# KiCad board wvr_v.1.0.kicad_pcb
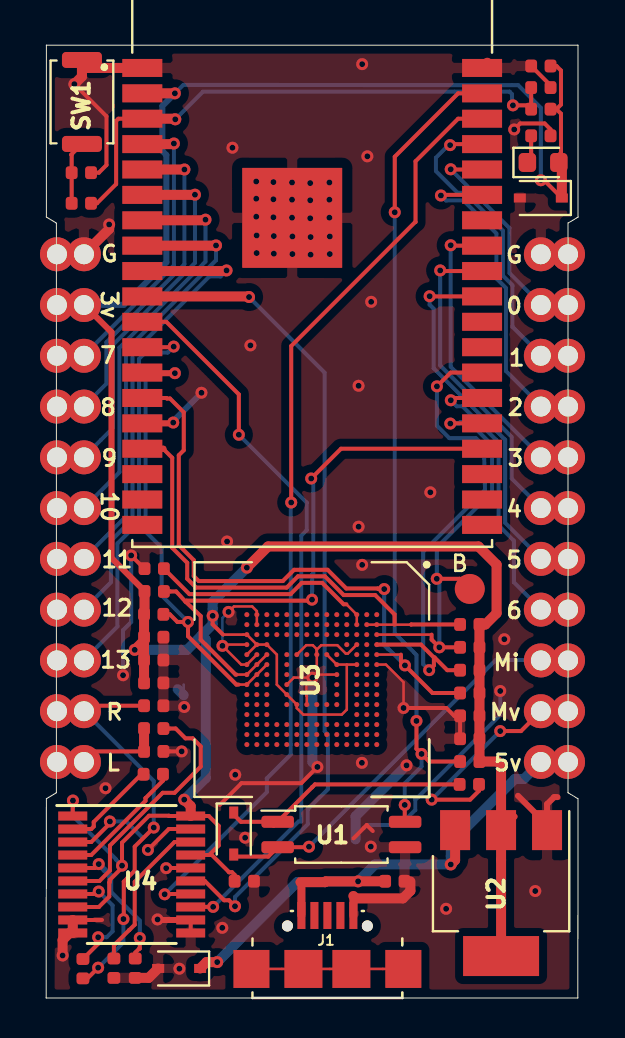
[diagram p0: board, top side]
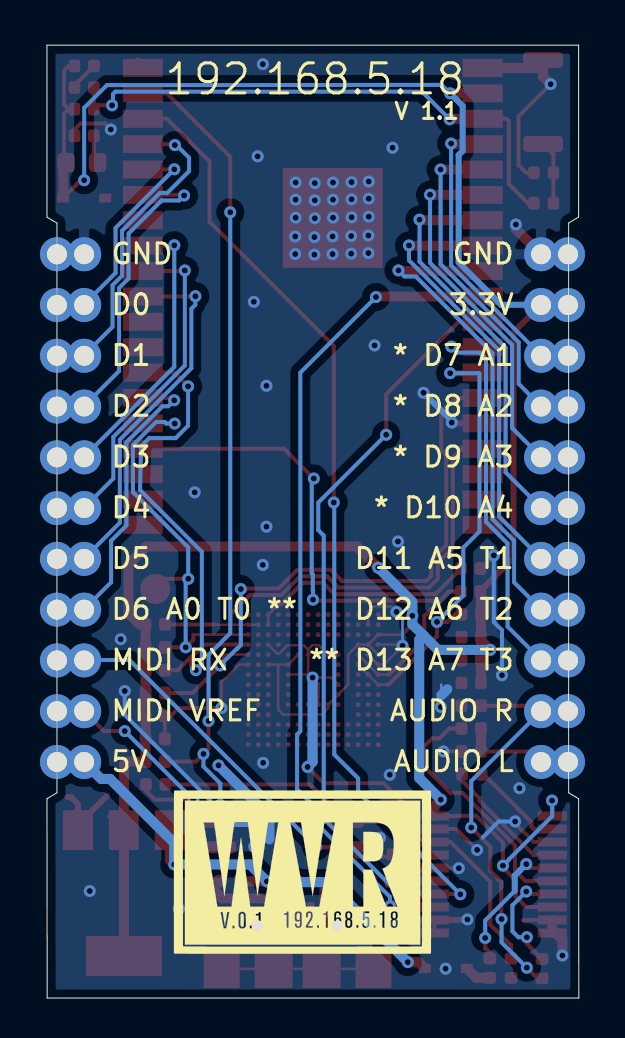
[diagram p1: board, bottom side, seen from below]

Outline 26.61 x 47.67 mm; copper layers: Top, Bottom. Coordinates in mm from the lower left corner of the outline.
Outline path: 0.01,47.67 0.01,39.07 0.51,38.77 0.51,10.27 0.01,9.97 0,0 26.6,0 26.61,9.97 26.11,10.27 26.11,38.77 26.61,39.07 26.61,47.67 0.01,47.67

## Placement (name value [footprint] x y rotation side)
B  TestPoint  [TestPoint_Pad_D1.5mm]  21.19 20.47 0 top
C1  10uf  [C_0402_1005Metric]  17.44 5.84 0 top
C2  10uf  [C_0402_1005Metric]  5.38 18.05 0 top
C3  1uf  [C_0402_1005Metric]  5.41 21.48 180 top
C4  1nF  [C_0402_1005Metric]  24.75 45.55 0 top
C5  2.2uF  [C_0402_1005Metric]  5.36 11.2 0 top
C6  2.2uF  [C_0402_1005Metric]  4.46 1.49 270 top
C7  0.1uf  [C_0402_1005Metric]  24.75 46.63 180 top
C8  220nf  [C_0402_1005Metric]  21.19 12.97 180 top
C9  0.1uF  [C_0402_1005Metric]  3.39 1.49 270 top
C10  0.1uf  [C_0402_1005Metric]  5.38 16.91 0 top
C11  0.1uF  [C_0402_1005Metric]  5.38 15.77 0 top
C12  10uF  [C_0402_1005Metric]  21.19 14.12 180 top
C13  1nF  [C_0402_1005Metric]  1.76 41.29 180 top
C14  2.2nf  [C_0402_1005Metric]  5.38 14.62 0 top
C15  2.2nf  [C_0402_1005Metric]  5.38 12.34 0 top
C16  10uf  [C_0402_1005Metric]  9.91 5.84 0 top
D1  D  [D_SOD-323]  9.38 8.23 270 top
D2  LED  [LED_0603_1608Metric]  24.86 41.8 0 top
D3  D  [D_SOD-323]  24.75 40.02 180 top
D4  D  [D_SOD-323]  6.65 1.48 180 top
G***  LOGO  [WVR_LOGO]  14.16 6.83 180 bottom
J1  10118192-0001LF  [USB-MICRO-B_C40942]  14.07 4.13 0 top
J2  Conn_01x11  [CAST_HEADER_11_LEFT_2]  24.75 11.81 180 top
J3  Conn_01x11  [CAST_HEADER_11_RIGHT_2]  1.89 11.81 180 top
R1  220  [R_0402_1005Metric]  21.17 10.69 0 top
R2  10k  [R_0402_1005Metric]  21.19 11.83 180 top
R3  10k  [R_0402_1005Metric]  21.19 17.55 0 top
R4  10k  [R_0402_1005Metric]  21.19 16.4 0 top
R5  10k  [R_0402_1005Metric]  21.19 15.26 0 top
R6  10k  [R_0402_1005Metric]  21.19 18.69 0 top
R7  10k  [R_0402_1005Metric]  5.41 20.34 180 top
R8  10k  [R_0402_1005Metric]  5.38 19.2 180 top
R9  470  [R_0402_1005Metric]  5.38 13.48 0 top
R10  470  [R_0402_1005Metric]  1.84 1.47 270 top
R11  12k  [R_0402_1005Metric]  24.75 44.47 180 top
R12  470r  [R_0402_1005Metric]  1.76 39.76 0 top
R13  22  [R_0402_1005Metric]  24.75 43.14 0 top
SW1  SW_Push  [SW_Push_SPST_NO_Alps_SKRK]  1.79 44.83 90 top
U1  TCMT1101  [SOP-4_4.4x2.6mm_P1.27mm]  14.77 8.18 0 top
U2  LM1117-3.3  [SOT-223-3_TabPin2]  22.76 5.25 270 top
U3  KLM8G1GETF  [KLM8G1GETF_ALL_PADS]  13.29 15.93 270 top
U4  PCM5102  [TSSOP-20_4.4x6.5mm_P0.65mm]  4.28 6.18 0 top
U5  ESP32-WROVER-B_(16MB)  [XCVR_ESP32-WROVER-B_(16MB)]  13.31 38.27 0 top

## Footprints (pads in the part's own frame, mm; a bottom-side part is the same pattern mirrored in y, then rotated)
C_0402_1005Metric
  rrect 0.59x0.64 smd: 1(-0.485,0) 2(0.485,0)
CAST_HEADER_11_LEFT_2
  round 1.7 hole 1 unplated: (-1.36,0)
  oval 1.7x1.7 hole 1 unplated: (-1.36,-2.54) (-1.36,-5.08) (-1.36,-7.62) (-1.36,-10.16) (-1.36,-12.7) (-1.36,-15.24) (-1.36,-17.78) (-1.36,-20.32) (-1.36,-22.86) (-1.36,-25.4)
  round 1.7 hole 1: 1(0,0)
  oval 1.7x1.7 hole 1: 2(0,-2.54) 3(0,-5.08) 4(0,-7.62) 5(0,-10.16) 6(0,-12.7) 7(0,-15.24) 8(0,-17.78) 9(0,-20.32) 10(0,-22.86) 11(0,-25.4)
CAST_HEADER_11_RIGHT_2
  round 1.7 hole 1 unplated: (1.35,0)
  oval 1.7x1.7 hole 1 unplated: (1.35,-2.54) (1.35,-5.08) (1.35,-7.62) (1.35,-10.16) (1.35,-12.7) (1.35,-15.24) (1.35,-17.78) (1.35,-20.32) (1.35,-22.86) (1.35,-25.4)
  round 1.7 hole 1: 1(0,0)
  oval 1.7x1.7 hole 1: 2(0,-2.54) 3(0,-5.08) 4(0,-7.62) 5(0,-10.16) 6(0,-12.7) 7(0,-15.24) 8(0,-17.78) 9(0,-20.32) 10(0,-22.86) 11(0,-25.4)
D_SOD-323
  rect 0.6x0.45 smd: 1(-1.05,0) 2(1.05,0)
KLM8G1GETF_ALL_PADS
  round 0.25 smd: CLK(-0.75,-2.25) CMD(-1.25,-2.25) DAT0(-2.25,3.25) DAT1(-1.75,3.25) DAT2(-1.25,3.25) DAT3(-2.75,2.75) DAT4(-2.25,2.75) DAT5(-1.75,2.75) DAT6(-1.25,2.75) DAT7(-0.75,2.75) DATA_STROBE(-1.25,-0.25) NC(-3.25,3.25) NC(-3.25,2.75) NC(-3.25,2.25) NC(-3.25,1.75) NC(-3.25,1.25) NC(-3.25,0.75) NC(-3.25,0.25) NC(-3.25,-0.25) NC(-3.25,-0.75) NC(-3.25,-1.25) NC(-3.25,-1.75) NC(-3.25,-2.25) NC(-3.25,-2.75) NC(-3.25,-3.25) NC(-2.75,3.25) NC(-2.75,1.75) NC(-2.75,1.25) NC(-2.75,0.75) NC(-2.75,0.25) NC(-2.75,-0.25) NC(-2.75,-0.75) NC(-2.75,-1.25) NC(-2.75,-1.75) NC(-2.75,-2.25) NC(-2.75,-3.25) NC(-2.25,2.25) NC(-2.25,1.75) NC(-2.25,1.25) NC(-2.25,0.75) NC(-2.25,-0.25) NC(-2.25,-0.75) NC(-2.25,-1.25) NC(-2.25,-1.75) NC(-2.25,-2.25) NC(-2.25,-2.75) NC(-1.75,1.75) NC(-1.25,2.25) NC(-0.75,-2.75) NC(-0.25,2.75) NC(-0.25,2.25) NC(-0.25,-2.25) NC(-0.25,-2.75) NC(-0.25,-3.25) NC(0.25,3.25) NC(0.25,2.75) NC(0.25,2.25) NC(0.25,-2.25) NC(0.25,-2.75) NC(0.25,-3.25) NC(0.75,3.25) NC(0.75,2.75) NC(0.75,2.25) NC(0.75,-2.25) NC(0.75,-2.75) NC(0.75,-3.25) NC(1.25,3.25) NC(1.25,2.75) NC(1.25,2.25) NC(1.25,-2.25) NC(1.25,-2.75) NC(1.25,-3.25) NC(1.75,3.25) NC(1.75,2.75) NC(1.75,2.25) NC(1.75,-2.25) NC(1.75,-2.75) NC(1.75,-3.25) NC(2.25,3.25) NC(2.25,2.75) NC(2.25,2.25) NC(2.25,1.75) NC(2.25,1.25) NC(2.25,0.75) NC(2.25,0.25) NC(2.25,-0.25) NC(2.25,-0.75) NC(2.25,-1.25) NC(2.25,-1.75) NC(2.25,-2.25) NC(2.25,-2.75) NC(2.25,-3.25) NC(2.75,3.25) NC(2.75,2.75) NC(2.75,2.25) NC(2.75,1.75) NC(2.75,1.25) NC(2.75,0.75) NC(2.75,0.25) NC(2.75,-0.25) NC(2.75,-0.75) NC(2.75,-1.25) NC(2.75,-1.75) NC(2.75,-2.25) NC(2.75,-2.75) NC(2.75,-3.25) NC(3.25,3.25) NC(3.25,2.75) NC(3.25,2.25) NC(3.25,1.75) NC(3.25,1.25) NC(3.25,0.75) NC(3.25,0.25) NC(3.25,-0.25) NC(3.25,-0.75) NC(3.25,-1.25) NC(3.25,-1.75) NC(3.25,-2.25) NC(3.25,-2.75) NC(3.25,-3.25) RFU(-2.25,0.25) RFU(-1.25,1.25) RFU(-0.75,-1.25) RFU(-0.25,3.25) RFU(-0.25,-1.25) RFU(0.25,1.25) RFU(0.75,1.25) RFU(1.25,1.25) RFU(1.25,0.75) RFU(1.25,0.25) RFU(1.25,-1.25) RSTN(-1.25,-1.25) VCCQ(-2.25,-3.25) VCCQ(-1.75,-2.25) VCCQ(-1.75,-2.75) VCCQ(-1.25,-3.25) VCCQ(-0.75,2.25) VDDF(-1.25,0.75) VDDF(-0.75,1.25) VDDF(0.75,-1.25) VDDF(1.25,-0.75) VDDI(-2.75,2.25) VSS(-2.75,-2.75) VSS(-1.75,2.25) VSS(-1.75,-3.25) VSS(-1.25,0.25) VSS(-1.25,-0.75) VSS(-1.25,-2.75) VSS(-0.75,3.25) VSS(-0.75,-3.25) VSS(-0.25,1.25) VSS(0.25,-1.25) VSS(1.25,-0.25)
LED_0603_1608Metric
  rrect 0.875x0.95 smd: 1(-0.787,0) 2(0.787,0)
R_0402_1005Metric
  rrect 0.59x0.64 smd: 1(-0.485,0) 2(0.485,0)
SOP-4_4.4x2.6mm_P1.27mm
  rrect 1.625x0.6 smd: 1(-3.188,0.635) 2(-3.188,-0.635) 3(3.188,-0.635) 4(3.188,0.635)
SOT-223-3_TabPin2
  rect 2x1.5 smd: 1(-3.15,2.3) 2(-3.15,0) 3(-3.15,-2.3)
  rect 2x3.8 smd: 2(3.15,0)
SW_Push_SPST_NO_Alps_SKRK
  rrect 0.8x2 smd: 1(-2.1,0) 2(2.1,0)
TestPoint_Pad_D1.5mm
  round 1.5 smd: 1(0,0)
TSSOP-20_4.4x6.5mm_P0.65mm
  rect 1.45x0.45 smd: 1(-2.95,2.925) 2(-2.95,2.275) 3(-2.95,1.625) 4(-2.95,0.975) 5(-2.95,0.325) 6(-2.95,-0.325) 7(-2.95,-0.975) 8(-2.95,-1.625) 9(-2.95,-2.275) 10(-2.95,-2.925) 11(2.95,-2.925) 12(2.95,-2.275) 13(2.95,-1.625) 14(2.95,-0.975) 15(2.95,-0.325) 16(2.95,0.325) 17(2.95,0.975) 18(2.95,1.625) 19(2.95,2.275) 20(2.95,2.925)
USB-MICRO-B_C40942
  round 0.55 hole 0.55 unplated: (-2,-0.525) (2,-0.525)
  rect 0.4x1.35 smd: 1(-1.3,0) 2(-0.65,0) 3(0,0) 4(0.65,0) 5(1.3,0)
  rect 1.8x1.9 smd: SH3(-3.8,-2.675) SH6(3.8,-2.675)
  rect 1.9x1.9 smd: SH4(-1.2,-2.675) SH5(1.2,-2.675)
XCVR_ESP32-WROVER-B_(16MB)
  rect 2x0.9 smd: 1(-8.5,8.26) 2(-8.5,6.99) 3(-8.5,5.72) 4(-8.5,4.45) 5(-8.5,3.18) 6(-8.5,1.91) 7(-8.5,0.64) 8(-8.5,-0.63) 9(-8.5,-1.9) 10(-8.5,-3.17) 11(-8.5,-4.44) 12(-8.5,-5.71) 13(-8.5,-6.98) 14(-8.5,-8.25) 15(-8.5,-9.52) 16(-8.5,-10.79) 17(-8.5,-12.06) 18(-8.5,-13.33) 19(-8.5,-14.6) 20(8.5,-14.6) 21(8.5,-13.33) 22(8.5,-12.06) 23(8.5,-10.79) 24(8.5,-9.52) 25(8.5,-8.25) 26(8.5,-6.98) 27(8.5,-5.71) 28(8.5,-4.44) 29(8.5,-3.17) 30(8.5,-1.9) 31(8.5,-0.63) 32(8.5,0.64) 33(8.5,1.91) 34(8.5,3.18) 35(8.5,4.45) 36(8.5,5.72) 37(8.5,6.99) 38(8.5,8.26)
  rect 5x5 smd: 39(-1,0.76)

## Nets
+3V3: C2.1 C7.1 C8.1 C10.1 C11.1 C12.1 C16.1 D2.2 D3.1 J3.10 R2.1 R3.2 R4.2 R5.2 R6.2 R7.2 R8.2 R11.1 U2.2 U3.VCCQ U3.VDDF U4.1 U4.8 U4.17 U4.20 U5.2
+5V: C1.1 D4.1 J1.1 J2.1 U2.3
GND: C1.2 C2.2 C3.2 C4.2 C6.2 C7.2 C8.2 C9.2 C10.2 C11.2 C12.2 C13.1 C14.2 C15.2 C16.2 D3.2 D4.2 J1.5 J2.11 J3.11 R13.2 SW1.2 U1.3 U2.1 U3.VSS U4.3 U4.9 U4.10 U4.11 U4.12 U4.16 U4.19 U5.1 U5.15 U5.38 U5.39
audio_L: C15.1 J3.1 R9.1
audio_R: C14.1 J3.2 R10.2
dac_BCK: U4.13 U5.11
dac_DIN: U4.14 U5.36
dac_LRCK: U4.15 U5.10
emmc_CLK: R8.1 U3.CLK U5.13
emmc_CMD: R7.1 U3.CMD U5.23
emmc_DAT0: B.1 R3.1 U3.DAT0 U5.24
emmc_DAT1: R4.1 U3.DAT1 U5.26
emmc_DAT2: R5.1 U3.DAT2 U5.14
emmc_DAT3: R6.1 U3.DAT3 U5.16
esp_EN: C4.1 R11.2 R12.2 U5.3
esp_GPIO0: J2.4 U5.25
esp_GPIO5: J2.5 U5.29
esp_GPIO18: J2.6 U5.30
esp_GPIO19: J2.7 U5.31
esp_GPIO21: J2.8 U5.33
esp_GPIO27: J3.3 U5.12
esp_GPIO32: J3.5 U5.8
esp_GPIO33: J3.4 U5.9
esp_GPIO34: J3.7 U5.6
esp_GPIO35: J3.6 U5.7
esp_GPIO36: J3.9 U5.4
esp_GPIO39: J3.8 U5.5
esp_midi_IN: R2.2 U1.4 U5.37
ftdi_RX: J2.9 U5.35
ftdi_TX: J2.10 U5.34
midi_IN: D1.2 J2.3 U1.2
midi_REF: J2.2 R1.2
Net-(C3-Pad1): C3.1 U3.VDDI
Net-(C5-Pad1): C5.1 U4.2
Net-(C5-Pad2): C5.2 U4.4
Net-(C6-Pad1): C6.1 U4.5
Net-(C9-Pad1): C9.1 U4.18
Net-(C13-Pad2): C13.2 R12.1 SW1.1
Net-(D1-Pad1): D1.1 R1.1 U1.1
Net-(D2-Pad1): D2.1 R13.1
Net-(J1-Pad2): J1.2
Net-(J1-Pad3): J1.3
Net-(J1-Pad4): J1.4
Net-(J1-PadSH3): J1.SH3 J1.SH4 J1.SH5 J1.SH6
Net-(R9-Pad2): R9.2 U4.6
Net-(R10-Pad1): R10.1 U4.7
Net-(U3-PadDAT4): U3.DAT4
Net-(U3-PadDAT5): U3.DAT5
Net-(U3-PadDAT6): U3.DAT6
Net-(U3-PadDAT7): U3.DAT7
Net-(U3-PadDATA_STROBE): U3.DATA_STROBE
Net-(U3-PadRSTN): U3.RSTN
Net-(U5-Pad17): U5.17
Net-(U5-Pad18): U5.18
Net-(U5-Pad19): U5.19
Net-(U5-Pad20): U5.20
Net-(U5-Pad21): U5.21
Net-(U5-Pad22): U5.22

Pads without a net: U3 NC RFU; U5 27 28 32

## Via types
v1: diameter 0.6, hole 0.3, Top to Bottom, 124 vias

## Routing (per net, layer and track width the routed paths; a pad name or vN(x,y) marks a point on that pad's centre or on a via; arc(x,y) is an arc through that point)
+3V3: length 157.1
  Top w0.127: U3.VCCQ U3.VCCQ 11.54,17.18 11.54,15.68 U3.VDDF U3.VDDF 12.54,14.5 12.86,14.18 14.79,14.18 15.04,14.43 15.04,16.68 ; U3.VCCQ U3.VCCQ 8.85,18.18 ; U3.VCCQ U3.VCCQ ; 15.04,16.68 U3.VDDF U3.VDDF ; 15.04,16.68 U3.VCCQ
  Top w0.2: v1(8.33,19.12) 8.33,18.7 8.85,18.18 ; v1(24.75,40.91) 24.91,40.91 D3.1 ; 25.53,44.47 25.76,44.7 25.76,46.4 25.53,46.63 C7.1 ; 25.53,44.47 25.76,44.24 25.76,42.3 25.74,42.28 25.74,41.8 ; 25.53,44.47 R11.1 ; 9.15,6.29 8.29,7.16 8.16,7.16 ; 9.15,6.29 9.3,6.29 9.43,6.16 C16.1 ; 9.15,6.29 9.13,6.32 ; 7.22,7.15 U4.17 8.16,7.16 ; 8.16,7.16 8.63,7.63 8.63,8.61 8.14,9.11 7.23,9.11 ; 1.33,9.11 1.33,9.87 v1(1.34,9.88) ; 7.23,9.11 6.52,9.11 ; 7.23,9.11 6.16,9.11 6.14,9.12 5.14,9.12 3.8,7.77 v1(3.8,6.62) 3.8,6.52 3.18,5.91 3.18,5.81 3.16,5.78 3.16,5.08 2.64,4.55 U4.8
  Top w0.3: 4.94,20.34 3.27,22.01 3.27,33.31 1.89,34.69 ; 23.44,9.08 U2.2
  Top w0.5: v1(6.91,9.93) 7.23,9.6 7.23,9.11 ; v1(6.44,45.26) U5.2 ; C2.1 R8.2 4.92,19.22 R7.2 ; C2.1 C10.1 C11.1 ; C2.1 4.9,17.89 v1(4.43,17.42) 4.58,17.42 ; v1(10.04,21.53) 11.1,22.59 21.63,22.59 22.53,21.69 22.53,19.25 21.97,18.69 R6.2 R3.2 R4.2 R5.2 C12.1 C8.1 R2.1 22.59,11.83 22.76,11.66 U2.2 U2.2 ; 25.8,40.15 25.8,41.93 25.74,41.99
  Bottom w0.2: v1(24.75,40.91) 24.75,44.53 23.61,45.67 23.32,45.67 6.86,45.68 v1(6.44,45.26) 6.44,45.22 ; v1(1.34,9.88) 1.33,9.87 1.33,9.11 3.5,6.94 3.5,6.92 v1(3.8,6.62)
  Bottom w0.3: 1.81,34.68 3.89,34.68 6.01,36.81 6.01,42.18 5.81,42.38 5.81,44.63 v1(6.44,45.26)
  Bottom w0.5: 7.77,18.14 7.99,17.93 7.99,11 v1(6.91,9.93) ; 7.77,18.14 7.05,17.42 v1(4.43,17.42) ; 7.77,18.14 8.33,18.7 v1(8.33,19.12) 8.33,19.82 v1(10.04,21.53)
+5V: length 30
  Top w0.3: 12.77,5.75 12.73,5.8 ; 20.35,6.79 20.46,6.9
  Top w0.4: J1.1 12.77,5.75
  Top w0.5: v1(8.56,1.8) 8.02,1.8 D4.1 ; 20.35,6.79 v1(20.24,6.68) 20.46,6.9 U2.3 ; 12.73,5.8 13.96,5.8 13.99,5.84 v1(15.61,5.84) 15.61,5.84 C1.1
  Bottom w0.3: 8.59,1.8 v1(8.56,1.8)
  Bottom w0.5: v1(8.56,1.8) 12.56,5.8 13.96,5.8 13.99,5.84 v1(15.61,5.84) 16.45,6.68 v1(20.24,6.68) 20.24,7.75 23.45,10.96 23.9,10.96 J2.1
GND: length 104.9
  Top w0.127: U3.VSS 10.54,19.18 10.54,19.36 10.31,19.59 9.4,19.59 v1(9.12,19.32) ; v1(13.32,16.03) 13.54,16.25 U3.VSS ; v1(13.32,16.03) 12.39,16.03 U3.VSS ; v1(13.32,16.03) 13.02,15.73 13.02,15.13 13.04,15.11 U3.VSS ; v1(13.32,16.03) 13.47,16.18 U3.VSS ; v1(17.88,14.51) 17.88,15.8 17,16.68 U3.VSS ; U3.VSS 13.54,17.45 13.34,17.65 13.01,17.65 U3.VSS ; U3.VSS 13.54,17.43 13.76,17.65 14.57,17.65 14.99,17.23 15.09,17.23 U3.VSS ; U3.VSS 8.88,17.68 v1(8.82,17.62) 9.76,16.68 U3.VSS U3.VSS
  Top w0.2: U4.11 U4.12 7.22,3.89 ; C4.2 25.24,45.66 24.27,46.63 ; 2.11,41.29 2.63,41.29 3.02,41.67 3.02,44.11 v1(1.41,45.72) ; v1(13.57,11.56) 12.76,10.75 9.77,10.75 8.68,9.66 ; 15.37,7.99 16.04,8.66 16.34,8.36 ; U4.16 6.01,6.51 v1(6,6.5) ; v1(5.09,7.41) 6.13,8.45 U4.19 ; 4.91,21.48 v1(4.25,22.14) ; R13.2 25.24,43.46 24.94,43.75 23.72,43.75 v1(23.42,43.45) ; 20.71,12.97 20.71,14.12 20.41,14.12 20.02,14.51 v1(17.88,14.51) ; C15.2 6.84,12.34 ; v1(3.19,8.83) 3.19,8.74 2.25,7.8 U4.3 ; 2.8,3.91 U4.9
  Top w0.3: U4.12 5.6,3.91 v1(5.57,3.93) ; v1(6.36,28.79) 6.32,28.75 U5.15 ; 23.61,10.12 25.06,8.66 U2.1 25.06,9.7 25.41,10.05 25.58,10.05
  Top w0.4: J1.5 15.37,5.11
  Top w0.5: J3.11 3.15,38.47 v1(3.15,38.7) ; 22.07,46.79 U5.38 ; v1(0.82,2.13) 0.82,2.9 1.17,3.26 U4.10 U4.9 ; v1(1.41,45.72) 1.79,46.1 1.79,46.81 2.07,46.53 U5.1 ; C6.2 5.13,1.01 D4.2 ; 15.37,5.11 15.49,4.98 17.85,4.98 18.22,5.36 18.22,5.84
  Bottom w0.127: 13.28,11.61 13.32,11.65 13.55,11.65 ; v1(9.12,19.32) 8.82,19.01 v1(8.82,17.62) ; 6.88,15.68 6.88,15.15
  Bottom w0.2: 3.12,9.03 3.12,8.94 ; 4.81,8.03 4.01,8.83 v1(3.19,8.83) ; v1(3.85,16.15) 3.85,18.4 4.25,18.81 v1(4.25,22.14) ; v1(22.72,15.36) 22.72,14.16 18.47,9.91 18.47,9.41 17.71,8.66 16.04,8.66
  Bottom w0.3: v1(6.36,28.79) 6.36,28.87 v1(7.77,30.28)
  Bottom w0.5: 15.48,7.94 15.48,9.09 v1(18.03,11.64) ; 6.58,15.45 6.88,15.15 ; v1(13.57,11.56) 13.32,11.81 v1(13.32,16.03)
  vias: v1(2.97,10.5) v1(6.67,1.47) v1(6.78,12.34) v1(6.91,14.56) v1(8.81,3.51) v1(9.05,22.84) v1(9.32,42.54) v1(9.46,11.17) v1(9.95,8.02) v1(10.22,32.65) v1(10.51,40.85) v1(10.51,39.99) v1(10.51,39.09) v1(10.53,38.15) v1(10.53,37.27) v1(11.37,40.82) v1(11.37,39.96) v1(11.37,39.06) v1(11.39,38.12) v1(11.39,37.24) v1(12.3,40.8) v1(12.3,39.94) v1(12.3,39.04) v1(12.32,38.1) v1(12.32,37.22) v1(13.21,40.77) v1(13.21,39.91) v1(13.21,39.01) v1(13.23,38.07) v1(13.23,37.19) v1(14.17,40.8) v1(14.17,39.94) v1(14.17,39.04) v1(14.19,38.1) v1(14.19,37.22) v1(15.63,30.63) v1(15.63,23.58) v1(15.81,46.72) v1(15.81,21.67) v1(15.8,11.77) v1(16.07,42.11) v1(16.26,34.83) v1(16.24,7.58) v1(19.22,25.3) v1(20.01,4.46) v1(22.92,17.95) v1(24.47,5.35)
audio_L: length 4.4
  Top w0.2: J3.1 2.42,12.34 C15.1
  Top w0.5: C15.1 R9.1
audio_R: length 19.7
  Top w0.2: 4.05,5.99 3.88,5.82 3.88,3.97 v1(3.87,3.95) ; 4.05,5.99 4.04,5.93 4.05,5.93 ; 4.05,5.99 4.43,6.37 4.43,7.58 v1(5.38,8.53) ; 1.77,0.91 R10.2 2.07,0.98 v1(2.6,1.52) ; C14.1 2.16,14.62 J3.2
  Bottom w0.2: v1(3.87,3.95) 3.87,2.78 v1(2.6,1.52) ; v1(5.38,8.53) 5.38,10.86 J3.2
dac_BCK: length 36.6
  Top w0.2: v1(8.35,4.56) 7.24,4.56 U4.13 ; v1(9.64,28.18) 9.64,30.2 6.01,33.83 U5.11 ; 8.49,4.55 8.52,4.59
  Bottom w0.2: v1(9.64,28.18) 13.04,24.78 13.04,23.41 12.76,23.13 12.76,8.83 12.63,8.83 v1(8.35,4.56)
dac_DIN: length 47.4
  Top w0.2: v1(5.93,5.19) 5.94,5.2 U4.14 ; v1(12.26,24.79) 12.26,32.62 18.46,38.82 18.48,38.82 18.48,41.86 20.61,43.99 U5.36
  Bottom w0.2: v1(12.26,24.79) 12.24,24.77 12.24,12.19 11.04,10.99 11.04,10.3 v1(5.93,5.19)
dac_LRCK: length 42.2
  Top w0.2: 9.39,4.5 9.39,4.45 ; v1(9.45,4.59) 9.15,4.89 8.9,4.89 7.94,5.86 U4.15
  Top w0.5: v1(10.15,35.07) 10.12,35.1 U5.10
  Bottom w0.2: v1(10.15,35.07) 13.93,31.29 13.93,13.35 14.1,13.18 14.1,10.45 13.09,9.44 13.09,8.7 9.45,5.05 v1(9.45,4.59)
emmc_CLK: length 24.4
  Top w0.127: U3.CLK 10.54,16.18 10.04,15.68 9.63,15.68
  Top w0.2: 9.63,15.68 9.52,15.68 7.1,18.1 v1(7.1,18.82) 6.57,18.82 6.19,19.2 R8.1 ; U5.13 5.36,31.29
  Top w0.3: v1(6.44,31.26) 4.84,31.26 U5.13
  Bottom w0.2: v1(7.1,18.82) 5.78,20.13 5.78,22.53 4.97,23.34 4.97,31.24 4.99,31.26 v1(6.44,31.26)
emmc_CMD: length 29.6
  Top w0.127: 9.53,16.18 10.04,16.18 10.54,16.68 U3.CMD
  Top w0.2: R7.1 6.5,20.34 6.97,19.83 ; 9.53,16.18 9.48,16.18 7.73,17.93 7.73,19.11 6.97,19.83 ; 6.97,19.83 7.02,19.88 13.25,19.88 v1(13.3,19.93) ; v1(13.26,25.99) 14.75,27.48 U5.23
  Bottom w0.2: v1(13.3,19.93) 13.3,20.35 13.31,20.36 13.31,21.19 13.36,21.25 13.36,25.89 v1(13.26,25.99)
emmc_DAT0: length 22
  Top w0.127: U3.DAT0 19.28,18.18
  Top w0.2: v1(19.54,20.97) 20.69,20.97 B.1 ; 19.28,18.18 19.28,17.93 v1(19.67,17.55) 20.71,17.55 ; v1(20.22,28.74) 20.23,28.75 U5.24
  Bottom w0.2: v1(20.22,28.74) 20.64,28.74 20.72,28.82 21.15,28.82 22.16,27.81 22.16,27.8 22.31,27.66 22.31,25.31 19.54,22.54 v1(19.54,20.97) 19.67,20.85 v1(19.67,17.55)
emmc_DAT1: length 25.3
  Top w0.2: v1(19.55,30.6) 20.24,31.29 U5.26 ; 19.4,17.04 19.4,16.64 v1(19.16,16.4) ; 19.4,17.04 18.76,17.68 U3.DAT1 ; 19.4,17.04 19.43,17.04 20.07,16.4 20.71,16.4
  Bottom w0.2: v1(19.55,30.6) 19.55,28.63 20.17,28.01 21.5,28.01 21.9,27.61 21.96,25.42 18.86,22.33 18.86,16.7 v1(19.16,16.4)
emmc_DAT2: length 30.7
  Top w0.127: U3.DAT2 17.75,17.18
  Top w0.2: v1(16.91,20.46) 16.62,20.46 16.59,20.49 15.01,20.49 14.08,21.42 12.4,21.42 11.84,20.86 7.63,20.86 7.38,21.11 7.38,21.91 6.63,22.66 6.63,27.15 6.88,27.4 6.88,29.3 6.19,29.99 6.04,29.99 6.01,30.02 U5.14 ; 20.71,15.26 19.33,15.26 v1(17.95,16.64) 17.75,16.84 17.75,17.18
  Bottom w0.2: v1(16.91,20.46) 16.91,17.65 17.11,17.45 17.11,17.48 v1(17.95,16.64)
emmc_DAT3: length 26.7
  Top w0.127: 18.25,18.68 16.54,18.68 U3.DAT3
  Top w0.2: 20.71,18.69 18.26,18.69 18.25,18.68 ; 5.85,27.48 6.31,27.03 6.31,22.52 7.06,21.77 7.06,20.98 7.5,20.53 12.03,20.53 12.6,21.1 13.95,21.1 14.88,20.16 16.46,20.16 17.43,19.19 17.43,18.68 ; 5.64,27.48 U5.16
  Top w0.3: 5.85,27.48 U5.16 5.87,27.48
esp_EN: length 28.1
  Top w0.2: v1(23.35,44.66) 24.07,44.66 24.27,44.47 24.27,45.55 ; R12.2 2.54,39.76 3.5,40.72 3.5,43.88 3.61,43.99 U5.3
  Top w0.5: U5.3 6.43,43.99 v1(6.46,43.96)
  Bottom w0.2: 23.19,45.34 23.19,45.34 ; 23.19,45.34 20.43,45.35 7.85,45.35 v1(6.46,43.96) 6.52,43.9 ; 23.19,45.34 23.31,45.22 23.31,44.64 23.34,44.64 v1(23.35,44.66)
esp_GPIO0: length 14.1
  Top w0.2: v1(20.24,29.9) 20.36,30.02 U5.25
  Bottom w0.2: v1(20.24,29.9) 20.54,29.6 20.83,29.6 22.49,27.94 22.49,27.94 22.64,27.79 22.64,23.64 23.4,22.88 23.4,20.8 24.75,19.45
esp_GPIO5: length 17.6
  Top w0.2: v1(19.19,35.11) 19.2,35.1 U5.29
  Bottom w0.2: 24.46,22.28 22.96,23.78 22.96,27.93 19.39,31.51 19.39,34.49 19.19,34.69 v1(19.19,35.11)
esp_GPIO18: length 16.1
  Top w0.2: v1(19.71,36.4) 19.74,36.37 U5.30
  Bottom w0.2: v1(19.71,36.4) 19.71,31.64 23.29,28.07 23.29,25.99 24.75,24.53
esp_GPIO19: length 14
  Top w0.2: v1(20.24,37.66) 20.26,37.64 U5.31
  Bottom w0.2: 24.75,27.07 20.24,31.58 v1(20.24,37.66)
esp_GPIO21: length 15.2
  Top w0.2: v1(19.75,40.15) 19.78,40.18 U5.33
  Bottom w0.2: 24.78,29.59 23,31.37 23,35.52 22.53,36 22.53,38.25 20.88,39.9 20,39.9 v1(19.75,40.15)
esp_GPIO27: length 19.8
  Top w0.2: v1(6.38,32.59) 6.35,32.56 U5.12
  Bottom w0.2: v1(6.38,32.59) 6.08,32.29 4.96,32.29 4.65,31.98 4.65,23.82 3.57,22.74 3.57,18.59 1.89,16.91
esp_GPIO32: length 22.1
  Top w0.5: U5.8 8.49,37.64 v1(8.5,37.65)
  Bottom w0.2: 1.89,21.99 3.99,24.09 3.99,32.4 8.5,36.91 v1(8.5,37.65)
esp_GPIO33: length 24.5
  Top w0.5: U5.9 9,36.37 v1(9.03,36.4)
  Bottom w0.2: 1.89,19.45 3.24,20.8 3.24,22.88 4.32,23.96 4.32,32.26 8.16,36.1 8.73,36.1 v1(9.03,36.4)
esp_GPIO34: length 18.1
  Top w0.5: U5.6 7.43,40.18 v1(7.44,40.19)
  Bottom w0.2: 1.89,27.07 3.34,28.52 3.34,32.67 7.44,36.78 v1(7.44,40.19)
esp_GPIO35: length 20.1
  Top w0.5: U5.7 7.94,38.91 v1(7.97,38.94)
  Bottom w0.2: v1(7.97,38.94) 7.97,36.84 3.66,32.54 3.66,26.3 1.89,24.53
esp_GPIO36: length 14.1
  Top w0.5: U5.4 6.36,42.72 v1(6.39,42.75)
  Bottom w0.2: 1.89,32.15 6.39,36.65 v1(6.39,42.75)
esp_GPIO39: length 16
  Top w0.5: v1(6.92,41.45) U5.5
  Bottom w0.2: v1(6.92,41.45) 6.92,36.71 3.01,32.81 3.01,30.73 1.89,29.61
esp_midi_IN: length 42
  Top w0.2: 20.71,11.83 19.16,11.83 v1(18.78,12.21) 18.53,12.47 v1(18.53,13.86) ; U5.37 20.61,45.26 17.44,42.09 v1(17.44,39.31) ; v1(17.94,9.66) 17.94,8.83 U1.4
  Bottom w0.2: v1(17.44,39.31) 17.44,18.25 18.53,17.16 v1(18.53,13.86) ; v1(18.78,12.21) 18.78,11.58 17.94,10.74 v1(17.94,9.66)
ftdi_RX: length 14.9
  Top w0.2: U5.35 20.26,42.72 v1(20.21,42.67)
  Bottom w0.2: 24.78,32.13 23.33,33.58 23.33,35.66 22.85,36.13 22.85,38.38 20.96,40.28 20.59,40.28 19.5,41.37 19.5,42.04 20.13,42.67 v1(20.21,42.67)
ftdi_TX: length 10.8
  Top w0.2: 22.4,41.45 U5.34 20.25,41.45 v1(20.24,41.46)
  Bottom w0.2: v1(20.24,41.46) 23.18,38.52 23.18,36.27 24.78,34.67
midi_IN: length 19.6
  Top w0.2: U1.2 13.12,7.55 v1(13.15,7.57) ; U1.2 11.49,7.64 ; U1.2 11.11,7.07 9.38,7.07
  Bottom w0.2: v1(13.15,7.57) 22.49,16.91 24.75,16.91
midi_REF: length 10.2
  Top w0.2: v1(22.72,13.35) 23.75,13.35 J2.2 24.73,14.37 ; v1(19.29,9.93) 21.21,9.93 21.66,10.37 R1.2
  Bottom w0.2: v1(19.29,9.93) v1(22.72,13.35)
Net-(C3-Pad1): length 11.6
  Top w0.127: U3.VDDI 15.54,19.18 15.02,19.7
  Top w0.2: 7.36,20.21 7.17,20.21 C3.1 ; 7.36,20.21 12.23,20.21 12.79,20.77 13.81,20.77 14.88,19.7 15.02,19.7 ; 7.36,20.21 7.36,20.21
Net-(C5-Pad1): length 4.8
  Top w0.2: U4.2 2.25,8.45 2.38,8.58 2.38,8.81 4.77,11.2 4.9,11.2
Net-(C5-Pad2): length 6.5
  Top w0.2: C5.2 5.84,10.88 4.97,10 4.97,10 4.97,9.87 2.25,7.16 U4.4
Net-(C6-Pad1): length 7.1
  Top w0.2: U4.5 2.44,6.51 v1(2.63,6.7) ; v1(4.68,3) 4.68,2.47 4.66,2.47 4.46,2.27 C6.1
  Bottom w0.2: 3.21,5.35 4.68,3.88 v1(4.68,3)
  Bottom w0.3: 3.21,5.35 3.21,6.12 v1(2.63,6.7)
Net-(C9-Pad1): length 8.2
  Top w0.2: 3.39,2.27 C9.1 3.39,2.64 4.15,3.4 4.16,3.4 4.43,3.67 4.43,5.81 6.42,7.8 U4.18
Net-(C13-Pad2): length 3.2
  Top w0.2: R12.1 C13.2 1.28,42.17 1.25,42.2 SW1.1
Net-(D1-Pad1): length 12.5
  Top w0.2: U1.1 9.74,8.82 9.38,9.17 ; U1.1 11.38,8.61 ; U1.1 13.32,10.56 ; 13.31,10.54 13.32,10.56 ; 13.32,10.56 13.45,10.69 R1.1
Net-(D2-Pad1): length 1.4
  Top w0.2: 23.99,41.8 24.27,42.08 24.27,43.14
Net-(J1-PadSH3): length 9.6
  Top w0.127: 10.27,1.45 17.87,1.45
  Top w0.3: 17.17,2.16 17.87,1.45 ; 10.97,2.16 10.27,1.45
Net-(R9-Pad2): length 12.8
  Top w0.2: R9.2 6.48,13.48 6.97,12.99 7.33,12.99 7.73,12.59 7.73,11.58 6.42,10.27 5.83,10.27 3.19,7.63 3.19,6.38 2.66,5.86 U4.6
Net-(R10-Pad1): length 5.9
  Top w0.2: R10.1 2.6,2.71 v1(2.6,3.04) ; v1(2.63,5.33) 2.51,5.2 U4.7
  Bottom w0.2: v1(2.6,3.04) 3.03,3.04 3.32,3.34 3.32,4.64 v1(2.63,5.33)

## Copper pours and planes (outline as drawn; the poured copper is in the pictures)
GND on Top: 26.6,-0.01 0.04,-0.01 0.01,47.67 26.6,47.67
GND on Bottom: 26.61,47.66 26.6,0 0,0 0.02,47.68

## Text on the board
B.SilkS: V 1.1 | GND | D0 | D1 | D2 | D3 | D4 | D5 | D6 A0 T0 ** | MIDI RX | MIDI VREF | 5V | 3.3V | * D7 A1 | * D8 A2 | * D9 A3 | * D10 A4 | D11 A5 T1 | D12 A6 T2 | ** D13 A7 T3 | AUDIO R | AUDIO L | 192.168.5.18
F.SilkS: 7 | 8 | G | 9 | L | R | 13 | 11 | 12 | Mv | Mi | 5v | 0 | 4 | 5 | 6 | 2 | 3 | 1 | 3v | 10
